# Altium PCB Main Board_V15.PcbDoc (part 2 of 5)
Units mm, origin at the board's own origin, x right, y up, seen from the top; angles counter-clockwise.
Board outline 180 x 140 mm, 2 copper layers (Top Layer, Bottom Layer); 280 components, 221 nets, 891 pads, 235 vias.
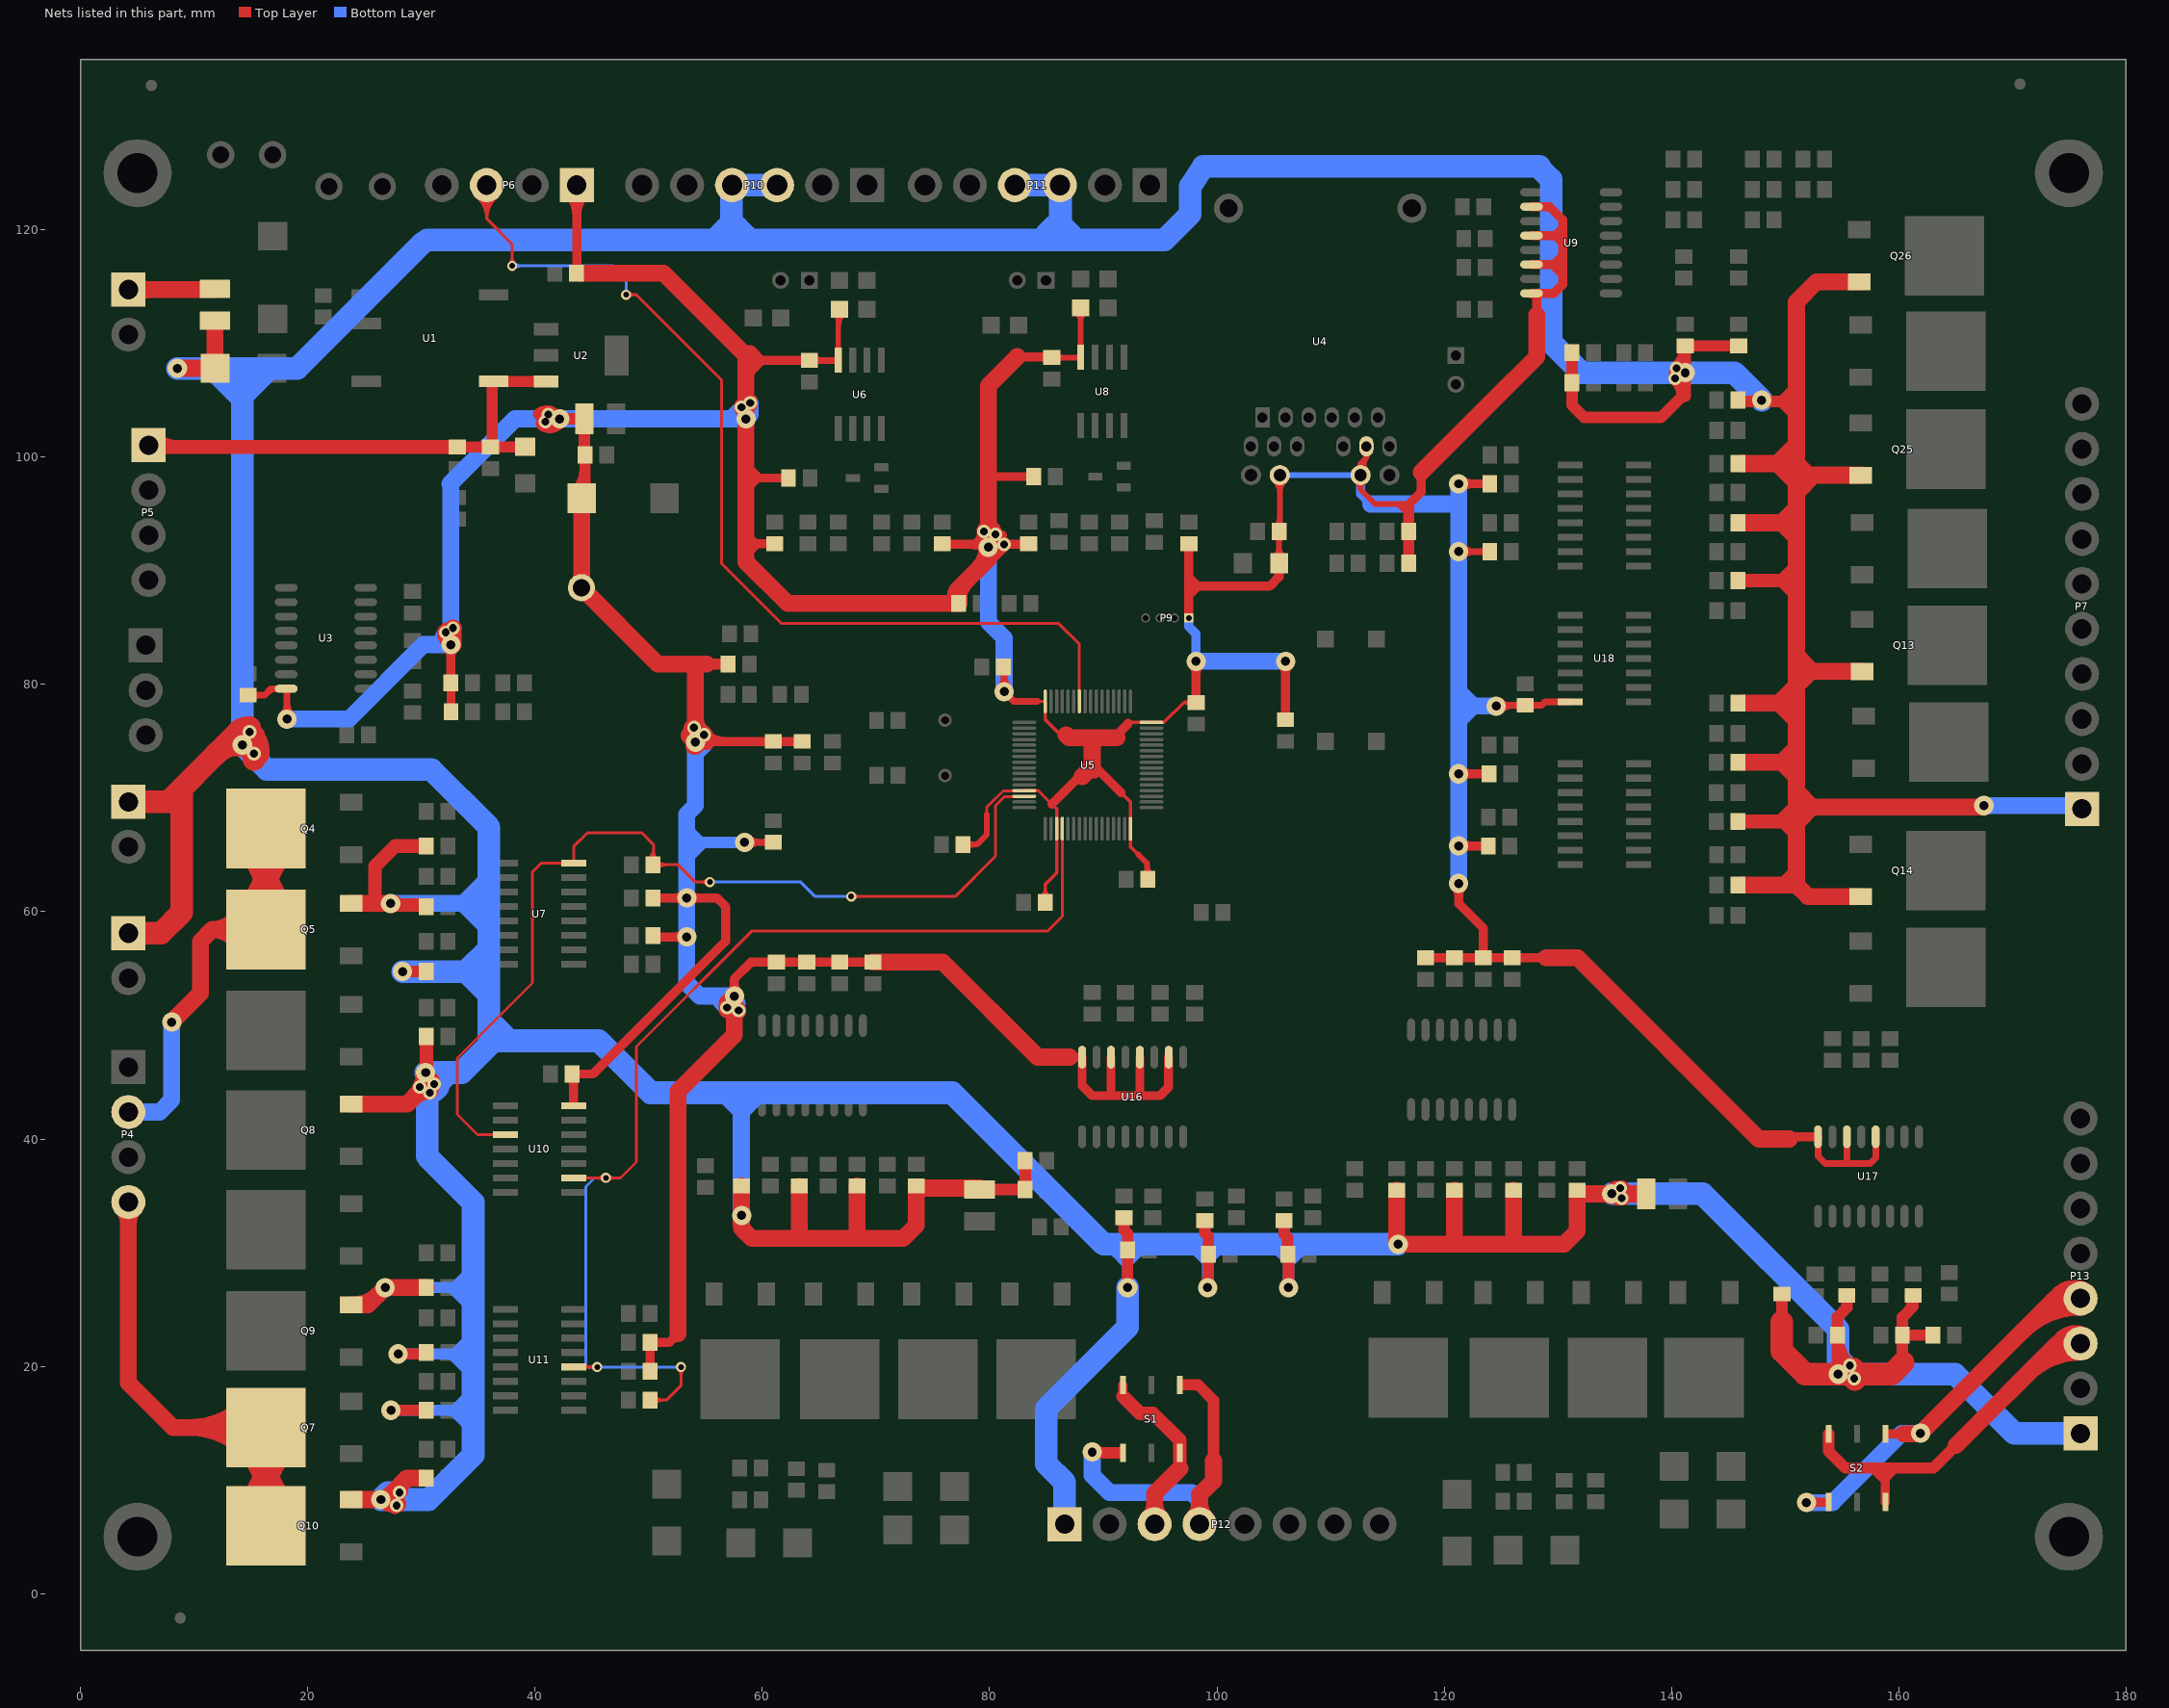
[diagram p2: the nets of this part, all layers, seen from the top]

## Via types
v1: diameter 0.889, hole 0.508, Top Layer to Bottom Layer, 97 vias
v2: diameter 1.7, hole 0.8, Top Layer to Bottom Layer, 84 vias
v3: diameter 1.2, hole 0.7, Top Layer to Bottom Layer, 34 vias
v4: diameter 1.2, hole 0.8, Top Layer to Bottom Layer, 11 vias
v5: diameter 1.4, hole 0.7, Top Layer to Bottom Layer, 5 vias
v6: diameter 1.4, hole 0.8, Top Layer to Bottom Layer, 2 vias
v7: diameter 3.4, hole 3.4, Top Layer to Bottom Layer, 2 vias

## Nets (pads, with @x,y where several pads share a name; then routed paths per layer and width w, separated by ;. In a path a pad name is that pad's centre, name@x,y a point inside that pad or via, vN(x,y) a via of type N, cw(c..) or ccw(c..) an arc to the next point about the centre after c; other vN are vias at no path point) (continued)
+3.3V: C1.2 C6.1 C7.2 C9.2 C13.1 C14.2 C15.2 C17.2 C19.2 C20.2 C21.2 C23.1 C28.1 C29.2 C30.2 D4.1 F2.2 P6.1 P9.1 PT5.1 R2.2 R3.2 R4.2 R5.2 R6.1 R9.1 R11.1 R12.1 R13.2 R14.2 R17.1 R19.1 R28.2 R29.2 R34.1 R35.1 R38.1 R52.1 R73.1 R75.1 R77.1 R89.1 R90.1 R91.1 R92.2 R104.1 R106.1 R123.2 R124.2 R125.1 R126.2 R133.2 R135.2 U3.16 U4.11 U4.14 U4.15 U5.13 U5.19 U5.32 U5.48 U5.64 U6.8 U8.8 U9.10 U9.12 U9.14 U9.16 U10.14 U16.10 U16.12 U16.14 U16.16 U17.12 U17.14 U17.16 U18.14 | length 941.7
  Top Layer w0.254: C29.2@43.368,45.72 C29.2@43.386,45.702 ; 79.756,68.58 79.756,69.215 80.064,69.523 81.18,70.639 81.664,70.639 83.023,70.639 U5.13@83.046,70.662 ; U5.13@83.069,70.685 U5.13@83.046,70.662 ; 84.175,78.512 U5.64@84.896,78.512 ; 85.471,69.469 84.278,70.662 U5.13@83.046,70.662 ; 85.598,69.342 85.852,69.088 85.896,69.088
  Top Layer w0.3: C15.2@84.543,61.287 ccw(c83.69,62.14) 84.897,62.14 ccw(c86.104,62.14) C15.2@85.251,61.287 ; U5.64@84.896,78.512 84.896,76.902 86.233,75.565 86.741,75.565 ; C15.2@84.897,60.833 84.897,62.418 85.896,63.417 U5.19@85.896,67.312 85.896,69.088 ; 91.567,70.485 92.392,69.659 ; 92.075,76.454 92.283,76.662 U5.48@94.246,76.662 95.331,76.662 97.089,78.42 ; 92.396,69.659 U5.32@92.396,67.312 92.396,65.719 93.091,65.024 ; C19.2@97.667,78.126 ccw(c97.089,77.706) 97.089,78.42 ; C19.2@97.667,78.714 cw(c97.089,79.134) 97.089,78.42 ; C19.2@98.171,78.42 97.089,78.42
  Top Layer w0.5: R133.2@66.436,112.662 cw(c65.861,112.087) 66.675,112.087 ; U6.8@66.675,108.537 R133.2@66.675,112.889 ; 66.675,111.531 cw(c68.275,111.531) R133.2@67.144,112.662 ; C21.2@77.658,65.913 78.867,65.913 79.756,66.802 79.756,68.58 ; C21.2@77.941,65.63 cw(c78.624,64.947) 78.624,65.913 cw(c78.624,66.879) C21.2@77.941,66.196 ; C28.1@85.471,108.773 87.993,108.773 U8.8@88.011,108.791 R135.2@88.011,113.157 ; C28.1@85.854,108.49 cw(c86.537,107.807) 86.537,108.773 cw(c86.537,109.739) C28.1@85.854,109.056 ; R135.2@87.657,112.803 cw(c86.804,111.95) 88.011,111.95 cw(c89.218,111.95) R135.2@88.365,112.803 ; 93.091,65.024 93.853,64.262 93.853,63.5 C17.2@93.853,62.865 ; C17.2@93.631,63.248 ccw(c93.096,63.783) 93.853,63.783 ; 93.853,64.078 ccw(c95.027,64.078) C17.2@94.197,63.248 ; U4.14@105.085,97.973 cw(c103.994,96.882) 105.537,96.882 cw(c107.08,96.882) U4.14@105.989,97.973 ; C13.1@105.097,91.167 ccw(c104.194,92.07) 105.471,92.07 ; C14.2@105.188,93.089 cw(c104.505,92.406) 105.471,92.406 cw(c106.437,92.406) C14.2@105.754,93.089 ; C14.2@105.188,93.855 ccw(c104.346,94.697) 105.537,94.697 ; 105.471,92.142 ccw(c106.85,92.142) C13.1@105.875,91.167 ; C13.1@105.486,90.678 105.471,90.693 C14.2@105.471,93.472 105.537,93.538 U4.14@105.537,98.425 ; 105.537,94.378 ccw(c106.277,94.378) C14.2@105.754,93.855 ; U4.15@112.268,97.912 cw(c111.707,97.155) 112.649,97.155 ; U4.15@112.372,99.001 ccw(c112.161,99.441) 112.649,99.441 ; U4.15@112.753,98.518 cw(c113.327,99.03) 112.783,99.575 ; U4.15@112.926,99.001 cw(c113.137,99.441) 112.649,99.441 ; U4.11@112.929,100.401 cw(c112.595,99.949) 113.157,99.949 ; U4.15@113.03,97.912 ccw(c113.591,97.155) 112.649,97.155 ; U4.15@113.126,98.85 cw(c113.723,99.383) 113.157,99.949 ; U4.11@113.157,100.965 113.157,99.949 ; U4.11@113.385,100.401 ccw(c113.719,99.949) 113.157,99.949 ; 116.078,95.885 116.927,95.885 117.137,96.096 117.137,95.293 116.84,94.996 ; 116.887,94.996 116.84,94.996 ; 116.887,95.33 116.332,95.885 115.951,95.885 ; 112.649,97.155 U4.15@112.649,98.425 112.649,99.441 ; 112.649,97.155 113.919,95.885 115.951,95.885 ; 112.649,99.441 113.157,99.949 ; 115.951,95.885 116.84,94.996
  Top Layer w0.6: C9.2@14.732,79.06 16.195,79.06 16.764,79.629 U3.16@18.09,79.629 ; C9.2@15.079,78.813 cw(c15.677,78.215) 15.677,79.06 cw(c15.677,79.905) C9.2@15.079,79.307 ; v2@17.772,77.351 ccw(c16.833,78.29) 18.161,78.29 ccw(c19.489,78.29) v2@18.55,77.351 ; v2(18.161,76.962) U3.16@18.161,79.629 ; R2.2@32.578,80.137 R2.2@32.592,80.123 ; v2@58.354,66.106 R73.1@60.96,66.106 ; v2@58.809,65.717 cw(c59.748,64.778) 59.748,66.106 cw(c59.748,67.434) v2@58.809,66.495 ; R73.1@60.613,65.859 ccw(c60.015,65.261) 60.015,66.106 ccw(c60.015,66.951) R73.1@60.613,66.353 ; C23.1@64.262,108.646 C23.1@64.135,108.519 66.657,108.519 U6.8@66.675,108.537 ; C23.1@64.482,108.272 cw(c65.08,107.674) 65.08,108.519 cw(c65.08,109.364) C23.1@64.482,108.766 ; v2@80.891,79.764 ccw(c79.952,80.703) 81.28,80.703 ccw(c82.608,80.703) v2@81.669,79.764 ; C20.2@80.967,81.187 cw(c80.21,80.43) 81.28,80.43 ; C20.2@81.214,81.534 81.28,81.468 v2(81.28,79.375) 82.143,78.512 84.175,78.512 ; 81.28,80.748 cw(c81.9,80.748) C20.2@81.461,81.187 ; v2(121.285,91.694) R106.1@123.891,91.694 ; v2@121.674,91.305 cw(c122.613,90.366) 122.613,91.694 cw(c122.613,93.022) v2@121.674,92.083 ; R106.1@123.771,91.447 ccw(c123.173,90.849) 123.173,91.694 ccw(c123.173,92.539) R106.1@123.771,91.941 ; v2(124.587,78.105) 124.653,78.171 C30.2@127.127,78.171 128.59,78.171 128.905,78.486 129.286,78.486 U18.14@131.112,78.486 ; v2@124.976,77.716 cw(c126.074,76.618) 126.074,78.171 ; v2@124.976,78.494 ccw(c125.755,79.273) 125.755,78.171 ; C30.2@126.78,77.924 ccw(c126.182,77.326) 126.182,78.171 ccw(c126.182,79.016) C30.2@126.78,78.418 ; C30.2@127.474,77.924 cw(c128.072,77.326) 128.072,78.171 cw(c128.072,79.016) C30.2@127.474,78.418 ; U17.16@152.908,40.203 152.908,38.481 153.543,37.846 157.48,37.846 157.988,38.354 U17.12@157.988,40.203 ; 155.321,37.846 155.448,37.973 U17.14@155.448,40.203
  Top Layer w0.8: v2@32.26,83.187 cw(c31.492,82.419) 32.578,82.419 cw(c33.664,82.419) v2@32.896,83.187 ; R2.2@32.578,80.137 v2(32.578,83.505) ; R3.2@32.592,77.597 R2.2@32.592,80.123 ; P6.1@42.881,123.174 cw(c41.003,121.296) 43.659,121.296 cw(c46.315,121.296) P6.1@44.437,123.174 ; C29.2@43.064,45.443 cw(c42.287,44.666) 43.386,44.666 ; U10.14@43.386,43.18 43.386,45.702 43.368,45.72 45.085,45.72 48.768,49.403 56.769,57.404 56.769,60.452 56.007,61.214 v2(53.34,61.214) R19.1@50.353,61.214 ; C1.2@43.445,116.482 ccw(c42.929,116.998) 43.659,116.998 ; C1.2@43.659,116.078 P6.1@43.659,123.952 ; R38.1@50.099,19.558 R52.1@50.099,22.098 51.816,22.098 52.578,22.86 ; R17.1@50.353,57.912 50.48,57.785 v2(53.34,57.785) ; R17.1@50.53,57.989 ccw(c51.022,58.481) 51.022,57.785 ; v2@53.022,57.467 ccw(c52.254,56.699) 52.254,57.785 ccw(c52.254,58.871) v2@53.022,58.103 ; v2@53.022,60.896 ccw(c52.254,60.128) 52.254,61.214 ccw(c52.254,62.3) v2@53.022,61.532 ; v2@53.658,60.896 cw(c54.426,60.128) 54.426,61.214 cw(c54.426,62.3) v2@53.658,61.532 ; v2(54.102,74.93) 54.163,74.991 60.833,74.991 R6.1@63.5,74.991 ; v2@54.306,75.134 cw(c54.864,74.576) v3@54.864,75.365 ; v2@54.42,74.612 cw(c55.336,73.696) 55.336,74.991 ; v2@54.42,75.248 ccw(c55.041,75.869) 55.041,74.991 ; v3@55.005,75.706 ccw(c56.733,77.434) 56.733,74.991 ; v2@57.213,52.896 ccw(c56.445,53.664) 57.531,53.664 ccw(c58.617,53.664) v2@57.849,52.896 ; v2(57.531,52.578) 57.531,54.102 58.989,55.56 R124.2@61.228,55.56 R89.1@69.737,55.56 ; 58.039,109.474 58.989,109.474 59.944,108.519 ; 58.42,108.519 59.944,108.519 ; 58.547,90.805 58.547,91.379 59.563,92.395 ; 58.547,92.075 58.867,92.395 59.563,92.395 ; 58.547,93.218 59.37,92.395 59.563,92.395 ; 58.547,97.155 59.563,98.171 59.944,98.171 ; 58.547,99.314 59.69,98.171 59.944,98.171 ; 58.547,107.569 58.994,107.569 59.944,108.519 ; 58.674,98.171 59.944,98.171 ; R14.2@61.087,92.395 59.563,92.395 ; R34.1@62.423,98.171 59.944,98.171 ; C23.1@64.135,108.519 59.944,108.519 ; R13.2@75.894,92.329 78.613,92.329 ; R13.2@76.096,92.558 ccw(c76.648,93.11) 76.648,92.329 ; 78.659,92.248 cw(c80.518,90.389) 80.518,93.018 cw(c80.518,92.229) v3@81.076,92.787 ; 78.677,92.266 cw(c79.435,91.508) v2@80.1,92.35 ; 78.931,92.52 ccw(c78.031,93.419) v3@79.302,93.465 ; 79.313,92.902 cw(c79.997,92.219) v3@80.596,92.977 ; v2@79.455,92.663 cw(c80.339,91.779) v3@80.493,93.02 ; v2@79.481,91.873 ccw(c78.74,91.499) 78.74,92.329 ; v2@79.502,92.71 cw(c80.292,91.92) v3@80.484,93.021 ; v3@79.502,93.272 cw(c79.502,90.643) v3@81.361,92.502 ; 79.502,94.072 cw(c79.502,93.374) 79.995,93.868 ; v3@79.709,92.917 79.681,92.889 v3@79.756,92.964 ; v2@79.883,92.329 78.613,92.329 ; v3@79.883,93.472 78.74,92.329 ; 79.883,93.98 81.28,92.583 v3(81.28,92.329) ; 79.883,98.298 R35.1@83.886,98.298 ; 80.01,90.805 v3@81.28,92.075 ; v3@80.025,93.614 cw(c80.518,93.12) 80.518,93.818 ; 80.087,93.776 cw(c79.529,93.218) v3@80.318,93.218 ; v2@80.202,92.329 ccw(c80.202,93.246) 81.116,93.165 ; v2@80.245,91.807 cw(c81.28,91.041) v3(81.28,92.329) ; v3@80.319,93.236 cw(c79.328,93.324) 79.328,92.329 v3(81.28,92.329) ; v3@80.479,93.022 cw(c80.286,92.047) v3@81.28,92.047 ; v3@80.512,93.018 cw(c80.488,92.226) v3@81.28,92.226 ; 80.759,91.554 ccw(c79.984,92.329) 81.08,92.329 ccw(c79.984,92.329) v3@80.759,93.104 ; 82.423,108.839 85.405,108.839 C28.1@85.471,108.773 ; 82.61,92.329 ccw(c82.61,93.11) R29.2@83.162,92.558 ; R29.2@82.931,92.329 v3(81.28,92.329) ; 84.608,108.839 cw(c84.608,108.01) C28.1@85.194,108.596 ; 85.471,69.469 88.138,72.136 89.281,72.136 ; 87.037,47.202 U16.16@88.138,47.202 88.138,44.704 89.027,43.815 94.996,43.815 95.758,44.577 U16.10@95.758,47.202 ; 89.408,72.644 91.567,70.485 ; 90.551,43.815 90.678,43.942 U16.14@90.678,47.202 ; 90.841,75.22 92.192,76.571 ; 93.091,43.815 93.218,43.942 U16.12@93.218,47.202 ; P9.1@97.536,85.852 97.536,88.646 ; 97.536,87.63 97.536,87.884 98.298,88.646 ; 97.536,89.408 98.298,88.646 ; R28.2@97.536,92.522 97.536,88.646 ; v2@97.853,81.724 cw(c97.085,80.956) 98.171,80.956 cw(c99.257,80.956) v2@98.489,81.724 ; C19.2@98.171,78.42 v2(98.171,82.042) ; 105.195,89.193 ccw(c104.64,89.748) C13.1@105.2,90.298 ; C13.1@105.203,90.295 cw(c104.557,89.649) 105.471,89.649 ; 105.471,89.576 cw(c106.488,89.576) C13.1@105.769,90.295 ; C13.1@105.486,90.678 105.471,90.663 105.471,89.469 104.648,88.646 98.425,88.646 ; v2@105.727,81.724 cw(c104.959,80.956) 106.045,80.956 cw(c107.131,80.956) v2@106.363,81.724 ; R12.1@106.045,76.896 v2(106.045,82.042) ; 116.629,95.588 117.983,96.941 117.983,98.171 118.237,98.425 ; R126.2@118.364,55.941 R91.1@125.984,55.941 128.971,55.941 ; v2@120.967,62.166 cw(c120.199,61.398) 121.285,61.398 cw(c122.371,61.398) v2@121.603,62.166 ; v2(121.285,62.484) 121.285,60.706 123.444,58.547 R92.2@123.444,55.941 ; v2(121.285,65.786) R77.1@123.891,65.786 ; v2(121.285,72.136) R75.1@123.952,72.136 ; v2(121.285,97.663) R104.1@124.018,97.663 ; v2@121.603,65.468 cw(c122.371,64.7) 122.371,65.786 cw(c122.371,66.872) v2@121.603,66.104 ; v2@121.603,71.818 cw(c122.371,71.05) 122.371,72.136 cw(c122.371,73.222) v2@121.603,72.454 ; v2@121.603,97.345 cw(c122.371,96.577) 122.371,97.663 cw(c122.371,98.749) v2@121.603,97.981 ; U9.16@127.635,114.371 U9.16@127.691,114.427 129.667,114.427 130.429,115.189 130.429,120.904 129.286,122.047 U9.10@127.691,122.047 ; U9.14@127.691,116.967 129.54,116.967 ; U9.12@127.691,119.507 129.794,119.507 ; 128.143,112.522 128.143,113.863 ; 130.429,116.205 130.302,116.205 129.54,116.967 ; 130.429,116.967 129.54,116.967 ; 130.429,117.729 129.667,116.967 129.54,116.967 ; 130.429,118.745 130.429,118.872 129.794,119.507 ; 130.429,119.507 129.794,119.507 ; 130.429,120.269 130.429,120.142 129.794,119.507 ; 150.368,40.005 150.566,40.203 U17.16@152.908,40.203 ; 78.613,92.329 cw(c78.613,91.282) 79.501,91.837 ccw(c78.613,91.282) 78.613,92.329 ; 78.613,92.329 78.74,92.329 ; 97.536,88.646 98.425,88.646 ; 98.298,88.646 98.425,88.646 ; v2@79.427,92.635 cw(c80.369,91.693) 80.499,93.019 ccw(c80.369,91.693) v2@79.427,92.635 ; 128.143,114.07 cw(c128.698,114.07) 128.306,114.462 ccw(c128.698,114.07) 128.143,114.07
  Top Layer w1: 40.301,103.801 cw(c41.019,102.981) v2@41.79,103.752 ; v3@40.992,103.105 cw(c41.783,102.954) v2@41.783,103.759 ; v3@41.148,103.659 cw(c41.148,101.885) v2@42.403,103.139 ; v3@41.219,103.83 ccw(c42.309,104.92) v2@42.309,103.378 ; v3@41.225,103.822 ccw(c42.164,104.591) v2(42.164,103.378) ; v2@41.832,103.267 ccw(c41.148,103.037) v3(41.148,103.759) v2@41.783,103.759 ; C6.1@43.572,96.973 ccw(c41.598,98.947) 44.389,98.947 ; C6.1@44.102,96.393 44.389,96.68 C7.2@44.389,100.203 44.32,100.272 F2.2@44.32,103.378 v2(42.164,103.378) ; 54.102,81.788 D4.1@56.962,81.788 ; R4.2@116.887,90.678 R5.2@116.887,93.472 116.887,95.33 ; v2@41.783,103.759 v2(42.164,103.378)
  Top Layer w1.5: v3@32.232,84.693 cw(c31.143,83.49) v2@32.766,83.49 ; v2(32.578,83.505) v2@32.766,83.693 ; v2@32.637,83.586 cw(c33.365,84.582) v3(32.131,84.582) 32.131,84.328 v2@32.766,83.693 ; v3(32.766,84.963) v2@32.766,83.693 ; v3@40.815,102.996 ccw(c41.282,103.752) v2@41.91,103.124 ; v3@40.866,102.977 ccw(c41.135,104.407) v2(42.164,103.378) v2@41.91,103.124 ; v3(40.894,103.124) v2@41.91,103.124 ; v3@41.012,103.695 ccw(c41.91,104.115) v2@41.91,103.124 ; v3@41.309,103.124 ccw(c41.309,104.233) v2@42.093,103.449 ; C1.2@43.942,116.205 51.308,116.205 56.389,111.124 58.547,108.966 58.547,100.584 58.547,90.805 62.23,87.122 R11.1@77.282,87.122 77.282,88.458 ; PT5.1@44.069,88.519 50.8,81.788 55.118,81.788 ; PT5.1@44.102,88.519 C6.1@44.102,96.393 ; 52.578,22.86 52.578,44.196 57.531,49.149 v2(57.531,52.578) ; v2@53.531,75.501 ccw(c54.273,76.244) v3@54.962,75.452 ; v3@53.825,76.189 ccw(c55.118,76.287) 55.118,74.991 ; v2@53.975,74.541 cw(c55.204,74.541) v3@54.817,75.707 ; v2@54.102,74.573 cw(c55.362,74.573) v3@54.797,75.699 ; 54.102,77.043 ccw(c56.342,77.043) v2@54.758,75.459 ; 54.102,81.788 v2(54.102,74.93) ; v3@56.896,51.38 cw(c58.14,51.38) v2@57.576,52.489 ; v3(56.896,51.562) 56.896,51.943 v2(57.531,52.578) ; v3@56.99,51.445 ccw(c56.074,52.578) v2(57.531,52.578) ; v3@57.002,51.668 cw(c55.725,50.391) 57.531,50.391 ; 57.531,50.75 cw(c58.47,50.75) v3@57.806,51.414 ; v2@57.531,51.866 ccw(c58.47,51.866) v3@57.806,51.202 ; v3@58.272,104.288 ccw(c57.608,104.952) v3@58.547,104.952 ; v3@58.272,104.5 cw(c57.608,103.836) v2@58.547,103.836 ; v2@58.547,104.217 cw(c59.486,104.217) v3@58.822,104.881 ; 58.547,105.333 ccw(c59.486,105.333) v3@58.822,104.669 ; R89.1@69.737,55.56 R89.1@69.737,55.56 75.882,55.562 84.243,47.202 87.037,47.202 ; R11.1@77.182,87.222 cw(c79.925,87.222) 77.985,89.161 ; R11.1@77.203,87.16 cw(c77.975,87.765) 77.282,88.458 ; 78.994,90.17 ccw(c77.089,92.075) v2@79.783,92.075 ; v3@79.608,93.366 ccw(c78.944,94.03) 79.883,94.03 ; v3@79.608,93.578 cw(c78.944,92.914) v2@79.883,92.914 ; 79.883,94.389 ccw(c81.689,94.389) v3@80.412,93.112 ; 82.423,108.839 79.883,106.299 79.883,99.314 79.883,93.599 v2(79.883,92.075) 79.883,91.44 79.883,91.059 77.282,88.458 ; 86.741,75.565 86.995,75.311 90.043,75.311 91.186,75.311 ; 88.138,71.882 89.027,72.771 89.027,75.311 ; 117.983,98.679 124.206,104.902 128.143,108.839 128.143,112.522 ; 128.971,55.941 131.76,55.941 147.696,40.005 150.368,40.005 ; v2(54.102,74.93) 54.163,74.991 55.118,74.991 ; v2(54.102,74.93) 53.975,75.057 v3(53.975,76.2) 55.118,75.057 55.118,74.991 ; v2@79.883,92.047 cw(c81.689,92.047) v3@80.412,93.324 ; v2@79.883,92.047 cw(c81.689,92.047) v3@80.412,93.324 ; v2@79.883,92.047 cw(c81.689,92.047) v3@80.412,93.324
  Bottom Layer w0.5: U4.14@105.537,98.425 U4.15@112.649,98.425
  Bottom Layer w0.6: 53.34,65.913 53.533,66.106
  Bottom Layer w0.8: v2@79.581,91.742 cw(c78.961,91.059) 79.883,91.059 ; v2@80.185,91.742 ccw(c80.805,91.059) 79.883,91.059 ; v3(81.28,92.329) 80.01,91.059 79.883,91.059 ; P9.1@97.536,85.852 97.536,85.09 98.171,84.455 v2(98.171,82.042) ; U4.15@112.649,98.425 112.649,96.774 113.538,95.885
  Bottom Layer w1: 53.533,66.106 v2(58.42,66.106) ; 53.595,67.055 54.611,66.039 ; 53.72,65.023 54.736,66.039
  Bottom Layer w1.5: v2(18.161,76.962) 23.622,76.962 30.165,83.505 v2(32.578,83.505) 32.578,97.536 ; 31.623,83.505 32.004,84.328 32.258,84.582 v3(32.766,84.963) ; v3@32.237,84.476 ccw(c31.414,85.299) v3@32.578,85.299 ; 32.512,97.663 38.227,103.378 v2(42.164,103.378) ; 54.102,73.914 54.864,74.676 v3(54.864,75.565) 54.229,76.2 v3(53.975,76.2) 53.975,74.93 54.102,74.803 54.102,69.342 53.34,68.58 v2(53.34,61.214) v2(53.34,57.785) 53.34,53.721 54.483,52.578 v2(57.531,52.578) ; v2@54.102,74.087 cw(c56.342,74.087) v3@54.758,75.671 ; 56.388,52.578 56.388,52.07 v3(56.896,51.562) ; v2@57.277,52.451 v2@57.785,51.943 ; 57.277,103.378 v3@58.674,104.775 ; v2@58.476,103.449 ccw(c57.386,104.539) v3@58.928,104.539 ; v2@58.623,103.443 cw(c59.367,104.081) v3@58.674,104.775 ; v3@80.518,93.091 79.756,93.091 79.883,92.964 v2(79.883,92.075) 79.883,85.471 81.28,84.074 ; v2(81.28,79.375) 81.28,83.82 ; v2(98.171,82.042) v2(106.045,82.042) ; 113.538,95.885 121.158,95.885 ; v2(121.285,62.484) v2(121.285,65.786) v2(121.285,72.136) 121.285,76.835 ; 121.285,79.375 122.555,78.105 ; v2(121.285,97.663) v2(121.285,91.694) 121.285,78.105 ; v2(124.587,78.105) 122.555,78.105 ; v2(42.164,103.378) 42.13,103.378 v2(42.164,103.378) ; v2(42.164,103.378) v2(58.547,103.378) 58.928,103.759 v3(58.928,104.775) v3@58.674,104.775 ; v2@57.531,52.544 v2(57.531,52.578) ; v2@57.531,52.544 57.552,52.523 v2@57.531,52.544 ; v2@57.531,52.544 v2(57.531,52.578) ; 121.285,76.835 121.285,78.105 ; 121.285,76.835 122.555,78.105 ; 121.285,78.105 122.555,78.105
  other v3: 57.912,51.308 80.518,93.218 79.502,93.472 58.166,104.394
+5V: C4.1 C5.2 P5.1 R1.1 U1.5 U2.3 | length 46.9
  Top Layer w1: R1.1@33.147,100.899 C5.2@35.814,100.899 ; C4.1@39.101,100.899 C5.2@36.068,100.899 36.207,101.038 36.207,106.666 U2.3@40.969,106.666
  Top Layer w1.2: P5.1@5.969,100.899 9.21,100.899 R1.1@33.147,100.899 ; P5.1@6.605,100.427 cw(c7.746,99.286) 7.746,100.899 ; P5.1@6.605,101.699 ccw(c8.538,103.632) 8.538,100.899
+24V: D1.1 F1.2 F3.2 F4.2 P2.1 P3.1 P7.1 P10.3 P10.4 P11.3 P11.4 P12.1 P13.1 Q5.3 Q8.3 Q9.3 Q10.3 Q13.3 Q14.3 Q25.3 Q26.3 R24.2 R25.2 R26.2 R27.2 R42.1 R43.1 R46.1 R47.1 R55.2 R56.2 R57.2 R58.2 R60.1 R61.1 R63.1 R64.1 R66.1 R67.1 R69.1 R70.1 R78.2 R79.1 R82.2 R83.2 R85.2 R87.2 R93.2 R95.2 R96.2 R97.2 R107.2 R108.2 R109.2 R110.2 R117.2 R118.2 R119.2 R120.2 R127.2 R128.2 R129.1 R130.1 | length 1167.4
  Top Layer w0.6: 27.686,65.786 27.94,65.786 ; R26.2@30.137,60.734 R26.2@30.419,60.452
  Top Layer w1: v2@26.73,8.423 ccw(c27.813,8.952) v3(27.813,7.747) ; v2@26.854,7.831 ccw(c27.305,8.283) v3@27.744,7.82 ; v2@27.178,8.636 v2@26.783,8.636 ; v2(27.305,16.129) R56.2@30.419,16.129 ; v3@27.713,7.743 ccw(c26.783,7.705) v2@26.783,8.636 ; v3@27.749,9.207 27.813,9.144 v3(27.813,7.747) ; v3@27.813,8.035 cw(c28.922,8.035) v3@28.138,8.819 ; v2(27.94,21.082) 30.292,21.082 R57.2@30.419,21.209 ; v2(28.321,54.737) R25.2@30.419,54.737 ; v3@29.909,44.259 v3@30.099,44.069 ; v3@29.938,44.613 ccw(c30.734,44.923) v3(30.734,44.069) v3@30.099,44.069 ; R24.2@30.353,48.956 R24.2@30.419,49.022 ; v3@31.016,44.847 cw(c30.099,44.999) v3@30.099,44.069 ; F3.2@79.121,35.563 R66.1@83.121,35.563 ; R66.1@83.124,35.56 R67.1@83.124,38.1 ; R70.1@91.821,33.086 91.821,32.004 92.141,31.684 R69.1@92.141,30.226 v2@92.141,26.985 ; R79.1@98.933,32.832 98.933,31.75 99.253,31.43 R78.2@99.253,29.845 99.253,26.99 v2(99.187,26.924) ; v2@98.94,27.171 ccw(c98.183,27.928) 99.253,27.928 ; R64.1@105.918,32.832 105.918,31.623 106.238,31.303 R63.1@106.238,29.845 106.299,29.784 v2(106.299,26.924) ; R46.1@131.257,109.22 R42.1@131.257,106.553 131.257,104.582 132.334,103.505 139.065,103.505 141.224,105.664 R47.1@141.224,109.794 ; v3@140.264,107.005 ccw(c137.947,109.322) R47.1@141.224,109.322 ; v3@140.268,106.86 cw(c138.848,105.283) 140.97,105.283 ; v3@140.293,106.843 cw(c139.615,105.384) 141.224,105.384 ; v3@140.391,107.752 cw(c138.381,105.742) 141.224,105.742 ; v3@140.394,107.896 ccw(c138.64,109.794) R47.1@141.224,109.794 ; v3@140.435,106.934 cw(c142.516,106.934) 141.045,108.406 ; v2@140.462,107.723 cw(c140.462,106.562) v2@141.283,107.383 ; v2@140.562,107.819 cw(c141.224,107.796) 141.224,108.458 141.097,108.458 v3(140.462,107.823) ; 140.97,105.41 140.97,106.299 v3(140.335,106.934) 140.335,107.696 v3(140.462,107.823) ; 140.97,105.984 cw(c142.682,105.984) v2@141.471,107.195 ; 140.97,106.271 cw(c142.057,106.271) v2@141.427,107.157 ; 140.971,106.298 ccw(c140.362,106.907) v2@141.224,106.907 ; v2@141.073,107.162 ccw(c140.754,107.507) v2@141.224,107.507 ; 141.098,108.459 cw(c140.795,108.156) v2@141.224,108.156 ; v2(141.224,107.442) 140.843,107.823 v3(140.462,107.823) ; R117.2@145.923,104.902 149.733,104.902 ; R43.1@145.923,109.794 R47.1@141.224,109.794 ; 146.803,104.902 ccw(c146.803,106.181) v2@147.708,105.276 ; v2@148.202,105.276 ccw(c149.107,106.181) 149.107,104.902 ; 149.733,23.876 R61.1@149.733,26.355 ; 150.749,104.902 149.733,104.902 ; 151.003,103.632 149.733,104.902 ; 151.003,106.299 151.003,106.172 149.733,104.902 ; 154.62,20.308 ccw(c155.69,20.308) v2@154.933,19.551 ; 154.62,20.477 ccw(c156.074,20.477) v2@155.098,19.399 ; v2(154.686,19.304) 154.62,19.37 R60.1@154.62,22.733 ; 155.211,24.909 ccw(c154.588,25.532) R129.1@155.237,26.127 ; R129.1@155.448,26.228 155.448,25.146 154.62,24.318 R60.1@154.62,22.733 ; v3@155.769,20.14 cw(c158.119,22.733) R60.1@154.62,22.733 ; 160.401,20.32 160.335,20.386 R127.2@160.335,22.733 ; 160.863,24.846 ccw(c160.075,25.633) R130.1@161.058,26.157 ; R130.1@161.29,26.228 161.29,25.273 160.335,24.318 R127.2@160.335,22.733 ; R128.2@163.007,22.733 R127.2@160.335,22.733 ; v2@26.783,8.636 v2(26.416,8.269) 26.938,7.747 v3(27.813,7.747) ; v3(140.462,107.823) ccw(c140.903,107.382) 140.413,106.996 cw(c140.903,107.382) v3(140.462,107.823) ; 27.212,8.636 ccw(c27.212,9.745) 27.996,8.961 cw(c27.212,9.745) 27.212,8.636
  Top Layer w1.2: 25.908,60.734 25.908,64.008 27.686,65.786 ; v2@27.425,60.586 R26.2@30.285,60.586 ; v2@27.454,60.911 ccw(c28.238,61.695) 28.238,60.586 ; 27.94,65.786 R27.2@30.419,65.786 ; v3(29.845,44.577) ccw(c28.619,45.803) v2@30.353,45.803 ; v2@30.256,45.617 cw(c29.807,44.552) v3@30.963,44.552 ; v3@30.353,44.704 v2(30.353,45.847) ; 30.353,44.989 ccw(c31.654,44.989) v3(30.734,44.069) ; v2@30.419,45.913 R24.2@30.419,49.022 ; v3@30.963,44.704 30.963,45.237 v2(30.353,45.847) ; v3(31.115,44.831) cw(c31.411,45.847) v2(30.353,45.847) ; R85.2@145.796,67.945 149.606,67.945 ; R120.2@145.871,89.154 149.733,89.154 ; 150.749,67.945 149.606,67.945 ; 151.003,66.802 149.86,67.945 149.606,67.945 ; 151.003,69.469 151.003,69.342 149.606,67.945 ; 151.003,87.757 151.003,87.884 149.733,89.154 ; 151.003,89.154 149.733,89.154 ; 151.003,90.551 151.003,90.424 149.733,89.154
  Top Layer w1.5: v2(8.509,107.823) D1.1@11.851,107.823 ; 11.811,109.175 ccw(c13.203,109.175) D1.1@12.219,108.191 ; F1.2@11.811,112.011 11.811,108.117 D1.1@11.851,108.077 ; Q10.3@23.816,8.269 26.811,8.269 28.702,10.16 R55.2@30.099,10.16 ; Q9.3@23.816,25.414 25.287,25.414 v2(26.797,26.924) R58.2@30.419,26.924 ; Q8.3@23.816,43.081 28.73,43.081 v3@30.353,44.704 ; Q5.3@23.816,60.734 v2@27.559,60.734 ; Q9.3@24.066,25.414 ccw(c24.066,28.362) 26.15,26.277 ; v2@26.416,8.369 ccw(c26.416,9.564) 27.261,8.719 ; 27.239,8.697 cw(c28.067,7.869) v3@28.067,9.04 ; v3@27.663,7.747 cw(c30.98,7.747) 28.635,10.093 ; v3@27.917,8.89 cw(c29.088,8.89) 28.26,9.718 ; 29.256,43.607 cw(c30.734,42.128) v3@30.734,44.219 ; 29.374,43.725 ccw(c27.252,45.847) v2@30.253,45.847 ; R108.2@58.166,35.88 v2(58.166,33.274) 58.166,32.131 59.055,31.242 72.39,31.242 73.533,32.385 73.533,35.623 73.597,35.687 F3.2@79.121,35.687 ; v2@58.255,33.229 ccw(c59.349,32.679) 58.483,31.814 ; 63.246,31.496 R107.2@63.246,35.828 ; 68.326,31.242 R97.2@68.326,35.88 ; R110.2@115.824,35.499 115.824,30.861 v2(115.951,30.734) 116.967,30.734 130.556,30.734 131.699,31.877 R95.2@131.699,35.306 ; 120.904,30.734 R109.2@120.904,35.499 ; 125.984,30.734 126.111,30.861 R96.2@126.111,35.499 ; R95.2@131.768,35.179 133.858,35.179 ; v2@134.62,35.052 v2@135.128,35.56 ; v2@134.874,35.306 v2@135.255,34.925 ; v2@135.255,35.179 v2(134.747,35.179) ; v2@135.403,35.581 ccw(c136.373,36.551) 136.373,35.179 ; v2@135.53,34.904 cw(c136.194,34.24) 136.194,35.179 ; F4.2@137.541,35.179 133.858,35.179 ; R83.2@146.05,73.152 149.733,73.152 ; R119.2@146.05,94.234 149.733,94.234 ; R87.2@146.177,62.357 149.987,62.357 ; R118.2@146.177,99.441 149.352,99.441 ; R82.2@146.304,78.359 149.479,78.359 ; 150.749,78.359 149.479,78.359 ; 150.876,73.152 149.733,73.152 ; 151.003,63.5 151.003,63.373 149.987,62.357 ; 151.003,67.945 151.13,67.945 152.4,69.215 ; 151.003,69.469 151.003,62.357 ; 151.003,69.596 151.003,113.665 152.767,115.429 153.162,115.429 Q26.3@156.665,115.429 ; 151.003,70.612 152.4,69.215 ; 151.003,71.628 151.003,71.882 149.733,73.152 ; 151.003,74.93 151.003,74.422 149.733,73.152 ; 151.003,77.089 150.749,77.089 149.479,78.359 ; 151.003,80.01 151.003,79.883 ; 151.003,82.804 151.003,82.55 152.4,81.153 ; 151.003,92.837 151.003,92.964 149.733,94.234 ; 151.003,94.234 149.733,94.234 ; 151.003,95.758 151.003,95.504 149.733,94.234 ; 151.003,96.774 151.003,96.901 152.527,98.425 ; 151.003,97.663 151.003,97.79 149.352,99.441 ; 151.003,101.092 149.352,99.441 ; 151.257,69.215 152.4,69.215 ; 151.592,98.425 152.527,98.425 ; 151.638,81.153 152.4,81.153 ; Q14.3@156.651,61.327 152.668,61.327 152.033,61.327 151.003,62.357 ; Q13.3@156.679,81.153 152.4,81.153 ; Q25.3@156.718,98.425 152.527,98.425 ; v2@167.473,69.215 152.4,69.215 ; 133.858,35.179 135.001,35.179 v2(134.747,35.179) ; v2(134.747,35.179) ccw(c134.747,36.319) 135.624,35.591 cw(c134.747,36.319) v2(134.747,35.179) ; v2@135.078,35.179 cw(c135.078,34.24) v3@135.742,34.904 ; v2@135.078,35.179 cw(c135.078,34.24) v3@135.742,34.904 ; v2@135.078,35.179 cw(c135.078,34.24) v3@135.742,34.904 ; v2@135.078,35.179 cw(c135.078,34.24) v3@135.742,34.904 ; 149.352,99.441 151.003,99.441 152.019,98.425 152.527,98.425 ; 149.479,78.359 151.003,79.883 ; 149.987,62.357 151.003,62.357 ; 151.003,79.883 152.273,81.153 152.4,81.153 ; v2@26.915,8.269 cw(c26.915,6.849) 27.919,7.853 ccw(c26.915,6.849) v2@26.915,8.269 ; v2@134.645,35.179 ccw(c134.645,36.551) 135.615,35.581 cw(c134.645,36.551) v2@134.645,35.179
  Top Layer w2: P2.1@4.191,58.114 7.06,58.114 8.897,59.951 8.897,70.873 ; P3.1@4.191,69.671 7.695,69.671 12.7,74.676 ; 11.878,73.854 cw(c14.224,71.509) v2@14.224,74.826 ; 11.938,73.914 cw(c14.142,71.71) v2@14.228,74.826 ; 13.065,74.676 ccw(c13.065,77.613) v3@15.142,75.536 ; v2(14.224,74.676) 12.7,74.676 ; v2@14.279,74.816 cw(c13.726,73.406) v3@15.24,73.406 ; v3@14.845,75.833 cw(c12.926,73.914) v3@15.64,73.914 ; v3(15.24,73.914) 15.24,75.438 v3(14.859,75.819) 13.843,75.819 12.7,74.676 ; 149.733,23.876 149.733,21.336 151.765,19.304 159.385,19.304 160.401,20.32 ; v2@154.686,19.454 cw(c154.686,17.363) v3@156.164,18.842 ; v2@154.828,19.304 ccw(c154.828,20.94) v3@155.985,19.783 ; v2@155.067,19.939 v3@155.702,19.304 ; v3@155.358,19.862 ccw(c156.337,20.442) 156.337,19.304 v3@156.083,19.304 ; v3@155.419,19.783 ccw(c156.576,20.94) 156.576,19.304 ; 13.807,75.783 cw(c14.859,74.732) 14.859,76.219 ccw(c14.859,74.732) 13.807,75.783 ; v2@14.366,74.676 cw(c14.366,73.04) 15.523,74.197 ccw(c14.366,73.04) v2@14.366,74.676
  Bottom Layer w1: v2(26.797,26.924) 33.528,26.924 34.163,26.924 34.544,26.543 ; v2(27.305,16.129) 34.29,16.129 34.544,16.383 ; v2(27.94,21.082) 34.544,21.082 ; 32.765,20.956 33.781,19.94 ; 32.894,16.13 33.91,17.146 ; 32.894,21.083 33.91,22.099 ; 32.892,26.671 33.908,25.655 ; 32.893,26.924 33.909,27.94 ; 33.019,15.876 34.035,14.86 ; 34.544,27.94 34.544,28.575 ; 56.768,43.435 57.784,42.419 ; 58.419,42.29 59.435,43.306 ; 91.06,30.098 92.076,29.082 93.092,30.098 ; v2(92.141,26.924) 92.141,30.673 92.202,30.734 ; 98.043,30.354 99.059,29.338 ; v2(99.187,26.924) 99.187,30.353 99.568,30.734 ; 99.188,29.338 100.204,30.354 ; 105.155,30.481 106.171,29.465 ; v2(106.299,26.924) 106.299,30.607 106.426,30.734 ; 106.299,29.083 107.315,30.099
  Bottom Layer w1.5: v2@27.178,60.734 33.655,60.734 ; 35.935,58.547 35.842,58.547 33.655,60.734 ; 35.935,60.579 35.779,60.734 33.655,60.734 ; 35.935,62.992 33.677,60.734 33.655,60.734 ; v2@58.143,33.274 58.143,43.815 ; v2(167.513,69.342) 171.704,69.342 175.728,69.342 P7.1@176.149,68.921
  Bottom Layer w2: P3.1@4.191,69.671 P3.1@4.52,69.342 ; v2(8.509,107.823) 12.065,107.823 ; 11.811,107.569 14.224,105.156 ; v2@14.224,75.252 cw(c15.426,75.252) v3@14.576,76.102 ; 14.224,76.386 ccw(c15.426,76.386) v3@14.576,75.536 ; v3@14.459,75.819 ccw(c17.786,75.819) v3@15.433,73.467 ; v3(14.859,75.819) 14.859,74.041 v3@15.113,73.787 ; 16.637,107.823 14.224,105.41 ; v3@27.784,8.607 ccw(c28.601,9.424) 28.601,8.269 ; v3(28.067,8.89) 27.037,8.89 v2(26.416,8.269) ; v2(28.321,54.737) 33.909,54.737 ; 30.099,118.872 19.05,107.823 14.224,107.823 ; v3@30.48,44.264 cw(c31.682,44.264) v3@30.832,45.114 ; v2@30.48,45.398 ccw(c31.682,45.398) v3@30.832,44.548 ; 30.48,119.126 32.639,119.126 95.377,119.126 97.663,121.412 97.663,123.825 98.806,125.603 128.397,125.603 ; v3@30.801,45.079 cw(c32.385,43.83) 32.385,45.847 ; v3@31.462,44.633 cw(c30.491,45.187) 30.491,44.069 30.607,44.069 32.385,45.847 ; v3@31.506,44.915 ccw(c30.353,44.668) v2(30.353,45.847) ; 35.935,52.705 35.935,52.711 33.909,54.737 ; 35.935,54.483 35.681,54.737 33.909,54.737 ; 35.935,56.896 35.935,56.763 33.909,54.737 ; 36.449,49.911 37.211,49.149 ; 36.697,48.641 36.322,48.641 ; 54.356,119.126 56.515,119.126 ; 56.007,119.38 56.769,120.142 ; 57.277,119.38 57.277,120.904 ; P10.4@57.277,124.131 57.277,120.904 ; P10.4@57.329,123.952 P10.3@61.289,123.952 ; 57.785,120.269 58.547,119.507 ; 58.039,119.126 59.69,119.126 ; P11.4@82.221,123.952 P11.3@86.181,123.952 ; 84.963,119.634 85.725,120.396 ; 86.233,119.253 P11.3@86.233,124.408 ; 86.487,120.269 87.249,119.507 ; P12.1@86.597,6.096 86.597,9.796 84.963,11.43 84.963,16.256 92.141,23.434 v2(92.141,26.924) ; v2(115.951,30.734) 90.043,30.734 76.708,44.069 50.165,44.069 45.593,48.641 36.322,48.641 ; 128.397,125.476 129.413,124.46 129.413,110.109 132.08,107.442 140.97,107.442 v2(141.224,107.442) 145.542,107.442 v2(147.955,105.029) ; v2(134.747,35.179) 142.748,35.179 154.686,23.241 154.686,21.209 ; v2@154.686,20.066 154.686,21.209 ; 154.94,20.447 v3@155.702,19.685 ; v2@155.448,19.304 156.718,19.304 ; P13.1@176.022,14.08 170.197,14.08 164.973,19.304 156.718,19.304 ; 12.065,107.823 14.224,107.823 ; 12.065,107.823 13.462,107.823 ; 12.065,107.823 13.462,107.823 ; 13.462,107.823 14.224,107.061 14.224,105.41 ; 14.224,105.41 v2(14.224,74.676) 16.383,72.517 30.861,72.517 35.935,67.443 35.935,60.579 35.935,50.8 35.935,49.028 36.322,48.641 ; 14.224,105.41 14.224,107.823 ; v2(26.416,8.269) 30.621,8.269 34.544,12.192 34.544,34.417 30.48,38.481 30.48,45.72 v2(30.353,45.847) ; v2(26.416,8.269) 28.067,8.269 v2(26.416,8.269) ; v2(30.353,45.847) 32.385,45.847 ; 32.385,45.847 33.528,45.847 36.322,48.641 ; 57.277,120.904 57.277,119.888 57.277,120.904 ; 154.686,21.209 ccw(c156.454,21.209) v3@155.482,19.732 ; 154.686,21.209 ccw(c156.454,21.209) v3@155.482,19.732 ; 154.686,21.209 ccw(c156.454,21.209) v3@155.482,19.732 ; 154.686,21.209 v2(154.686,19.304) 156.718,19.304 ; v3@155.419,19.783 ccw(c156.576,20.94) 156.576,19.304 ; v3@155.419,19.783 ccw(c156.576,20.94) 156.576,19.304 ; v3@155.419,19.783 ccw(c156.576,20.94) 156.576,19.304 ; v3@155.419,19.783 ccw(c156.576,20.94) 156.576,19.304
  other v2: 27.277,60.734
  other v3: 156.083,18.923 155.702,20.066 135.636,34.798 135.509,35.687
+24VIN: F1.1 P1.1 | length 10.5
  Top Layer w1.5: P1.1@4.191,114.756 11.756,114.756 F1.1@11.811,114.811 ; P1.1@4.721,114.226 cw(c6.002,112.945) 6.002,114.756 cw(c6.002,116.567) P1.1@4.721,115.286
A1: P12.3 S1.1 S1.6 | length 18.7
  Top Layer w0.8: 91.734,17.359 S1.1@91.734,18.367
  Top Layer w1.2: 91.734,17.359 93.235,15.858 94.378,15.858 96.734,13.502 S1.6@96.734,12.367 96.734,11.009
  Top Layer w1.5: P12.3@93.987,6.626 ccw(c92.706,7.907) 94.517,7.907 ccw(c96.328,7.907) P12.3@95.047,6.626 ; P12.3@94.517,6.194 94.517,8.792 96.734,11.009
A2: P13.3 S2.1 S2.6 | length 49.9
  Top Layer w0.8: S2.6@158.837,8.049 158.837,10.287
  Top Layer w1: S2.1@153.837,14.049 153.837,12.533 155.321,11.049 156.932,11.049 163.068,11.049 165.06,13.041 ; 157.861,11.049 158.623,10.287 158.837,10.287 ; 158.75,11.049 158.837,10.962 158.837,10.287 ; 159.766,11.049 159.599,11.049 158.837,10.287
  Top Layer w1.5: 165.06,13.041 174.019,22 P13.3@176.022,22 ; 171.322,19.303 cw(c176.022,14.604) P13.3@176.022,21.25 ; 173.018,20.999 cw(c174.563,19.454) P13.3@175.649,21.349 ; 173.883,21.864 cw(c176.022,19.725) P13.3@176.022,22.75 ; 174.404,22.385 cw(c175.573,21.217) P13.3@176.395,22.651 ; P13.3@175.492,21.47 ccw(c174.211,20.189) 174.211,22 ccw(c174.211,23.811) P13.3@175.492,22.53
B1: P12.4 S1.3 S1.4 | length 35.5
  Top Layer w1: v2(89.027,12.446) 89.106,12.367 91.44,12.367 ; v2@89.274,12.693 ccw(c90.063,13.482) 90.063,12.367 ; 97.028,18.367 98.346,18.367 99.695,17.018 99.695,11.684
  Top Layer w1.5: P12.4@97.947,6.626 ccw(c96.611,7.962) 98.5,7.962 ; P12.4@98.477,6.096 98.5,6.119 98.5,8.711 ; 98.477,8.711 98.5,8.711 ; 98.5,7.851 ccw(c100.232,7.851) P12.4@99.007,6.626 ; 99.695,11.684 99.695,9.906 98.5,8.711
  Bottom Layer w1.5: v2(89.027,12.446) 89.027,10.414 90.551,8.89 91.821,8.89 97.79,8.89 98.477,8.203 P12.4@98.477,5.969
B2: P13.4 S2.3 S2.4 | length 55
  Top Layer w0.8: v2@151.94,8.049 S2.4@153.67,8.049 ; v2@152.21,7.683 cw(c153.094,6.799) 153.094,8.049 ; v2@152.21,8.319 ccw(c152.863,8.972) 152.863,8.049 ; S2.3@159.004,14.049 160.449,14.049
  Top Layer w1: v2(151.892,8.001) v2@151.94,8.049
  Top Layer w1.5: 160.449,14.049 161.877,14.049 164.338,16.51 173.788,25.96 P13.4@176.022,25.96 ; 170.928,23.1 cw(c176.022,18.006) P13.4@176.022,25.21 ; 172.671,24.843 cw(c174.479,23.035) P13.4@175.672,25.297 ; 173.489,25.661 cw(c176.022,23.127) P13.4@176.022,26.71 ; 174.109,26.281 cw(c175.473,24.918) P13.4@176.372,26.623 ; P13.4@175.492,25.43 ccw(c174.211,24.149) 174.211,25.96 ccw(c174.211,27.771) P13.4@175.492,26.49
  Bottom Layer w1.5: v2(151.892,8.001) 154.178,8.001 160.274,14.097 v2(161.925,14.097)
DATA: P6.3 U5.58 | length 101.5
  Top Layer w0.254: P6.3@34.849,122.907 cw(c33.207,120.979) 35.739,120.979 ; P6.3@35.013,123.1 cw(c33.675,121.529) 35.739,121.529 cw(c37.803,121.529) P6.3@36.465,123.1 ; P6.3@35.178,123.293 cw(c34.144,122.079) 35.739,122.079 cw(c37.334,122.079) P6.3@36.3,123.293 ; P6.3@35.739,123.952 35.739,120.979 ; P6.3@35.866,123.698 P6.3@35.941,123.623 ; P6.3@36.629,122.907 ccw(c38.271,120.979) 35.739,120.979 ; v1@37.748,117.065 ccw(c37.206,117.607) 37.973,117.607 ccw(c38.74,117.607) v1@38.198,117.065 ; v1(37.973,116.84) 37.973,118.745 35.739,120.979 ; v1@48.133,114.554 48.387,114.3 48.895,114.3 56.388,106.807 56.388,90.678 61.703,85.363 74.798,85.363 85.852,85.363 86.087,85.363 87.896,83.554 U5.58@87.896,78.512 U5.58@87.919,78.535 ; v1@48.231,114.075 cw(c48.773,113.533) 48.773,114.3 cw(c48.773,115.067) v1@48.231,114.525
  Bottom Layer w0.254: v1(37.973,116.84) 46.863,116.84 48.006,115.697 v1(48.006,114.3) ; v1@38.198,116.615 cw(c38.74,116.073) 38.74,116.84 cw(c38.74,117.607) v1@38.198,117.065
DIR1: P4.2 Q4.2 Q5.2 | length 60.7
  Top Layer w1.5: v2(8.001,50.292) 10.541,52.832 10.541,57.404 11.571,58.434 ; Q5.2@13.93,57.067 ccw(c11.571,55.716) 11.571,58.434 ; Q5.2@13.93,59.801 cw(c11.571,61.152) 11.571,58.434 ; Q5.2@14.371,60.379 ccw(c9.677,65.073) 16.316,65.073 ccw(c22.955,65.073) Q5.2@18.261,60.379 ; Q4.2@14.371,65.379 cw(c9.677,60.685) 16.316,60.685 cw(c22.955,60.685) Q4.2@18.261,65.379 ; Q4.2@16.316,67.324 Q5.2@16.316,58.434 11.571,58.434
  Bottom Layer w1.5: P4.2@4.191,42.366 6.933,42.366 8.001,43.434 v2@8.001,50.038
DIR1_OUT: R18.1 U5.14 U7.8 U10.3 | length 93.3
  Top Layer w0.254: U10.3@36.464,40.264 ccw(c36.168,39.968) 36.168,40.386 ccw(c36.168,40.804) U10.3@36.464,40.508 ; U10.3@37.386,40.386 34.925,40.386 33.147,42.164 33.147,47.117 39.751,53.721 39.751,63.5 40.513,64.262 U7.8@43.386,64.262 43.386,65.738 44.577,66.929 49.403,66.929 50.419,65.913 50.419,64.582 R18.1@49.972,64.135 ; U7.8@42.464,64.14 ccw(c42.168,63.844) 42.168,64.262 ccw(c42.168,64.68) U7.8@42.464,64.384 ; U7.8@43.264,64.384 ccw(c42.968,64.68) 43.386,64.68 ccw(c43.804,64.68) U7.8@43.508,64.384 ; R18.1@49.983,64.605 ccw(c48.931,65.657) 50.419,65.657 ; R18.1@50.163,64.425 ccw(c49.544,65.044) 50.419,65.044 ; R18.1@50.353,64.135 52.578,64.135 54.102,62.611 v1(55.372,62.611) ; 50.419,65.338 ccw(c51.456,65.338) R18.1@50.723,64.605 ; R18.1@50.723,63.765 cw(c51.616,62.872) 51.616,64.135 cw(c51.616,65.398) R18.1@50.723,64.505 ; v1@55.147,62.386 ccw(c54.605,61.844) 54.605,62.611 ccw(c54.605,63.378) v1@55.147,62.836 ; v1@68.043,61.116 cw(c68.585,60.574) 68.585,61.341 cw(c68.585,62.108) v1@68.043,61.566 ; v1@68.072,61.341 76.962,61.341 80.518,64.897 80.518,68.326 80.518,69.335 81.322,70.139 81.806,70.139 83.023,70.139 U5.14@83.046,70.162
  Bottom Layer w0.254: v1(55.372,62.611) 63.373,62.611 64.643,61.341 v1(67.818,61.341)
DIR2: P4.4 Q7.2 Q10.2 | length 72.4
  Top Layer w1.5: P4.4@3.661,33.916 cw(c2.38,32.635) 4.191,32.635 cw(c6.002,32.635) P4.4@4.721,33.916 ; P4.4@4.191,34.446 4.191,18.542 8.128,14.605 Q7.2@16.316,14.605 Q10.2@16.316,5.969 ; Q10.2@14.371,7.914 ccw(c9.677,12.608) 16.316,12.608 ccw(c22.955,12.608) Q10.2@18.261,7.914 ; Q7.2@14.371,16.55 cw(c9.677,21.244) 9.677,14.605 cw(c9.677,7.966) 14.371,12.66 cw(c9.677,7.966) 16.316,7.966 cw(c22.955,7.966) Q7.2@18.261,12.66
DIR2_OUT: R37.1 U5.20 U10.9 U11.4 | length 107.6
  Top Layer w0.254: U11.4@43.386,19.939 v1(45.466,19.939) ; U10.9@43.386,36.576 47.498,36.576 48.895,37.973 48.895,48.133 59.055,58.293 59.563,58.293 85.09,58.293 86.396,59.599 U5.20@86.396,67.312 ; U11.4@44.308,19.817 cw(c44.604,19.521) 44.604,19.939 cw(c44.604,20.357) U11.4@44.308,20.061 ; U10.9@44.308,36.454 cw(c44.604,36.158) 44.604,36.576 cw(c44.604,36.994) U10.9@44.308,36.698 ; v1@45.241,19.714 ccw(c44.699,19.172) 44.699,19.939 ccw(c44.699,20.706) v1@45.241,20.164 ; v1@46.003,36.351 ccw(c45.461,35.809) 45.461,36.576 ccw(c45.461,37.343) v1@46.003,36.801 ; v1@46.453,36.351 cw(c46.995,35.809) 46.995,36.576 cw(c46.995,37.343) v1@46.453,36.801 ; R37.1@50.099,17.018 51.562,17.018 52.832,18.288 v1(52.832,19.939) ; R37.1@50.469,16.648 cw(c51.362,15.755) 51.362,17.018 cw(c51.362,18.281) R37.1@50.469,17.388 ; v1@52.607,19.714 cw(c52.065,19.172) 52.832,19.172 cw(c53.599,19.172) v1@53.057,19.714
  Bottom Layer w0.254: v1(46.228,36.576) 45.212,36.576 44.45,35.814 44.45,20.066 44.577,19.939 v1(45.466,19.939) v1(52.832,19.939)